# KiCad board 2 - CPU and core components (Rev 3).kicad_pcb (continued)
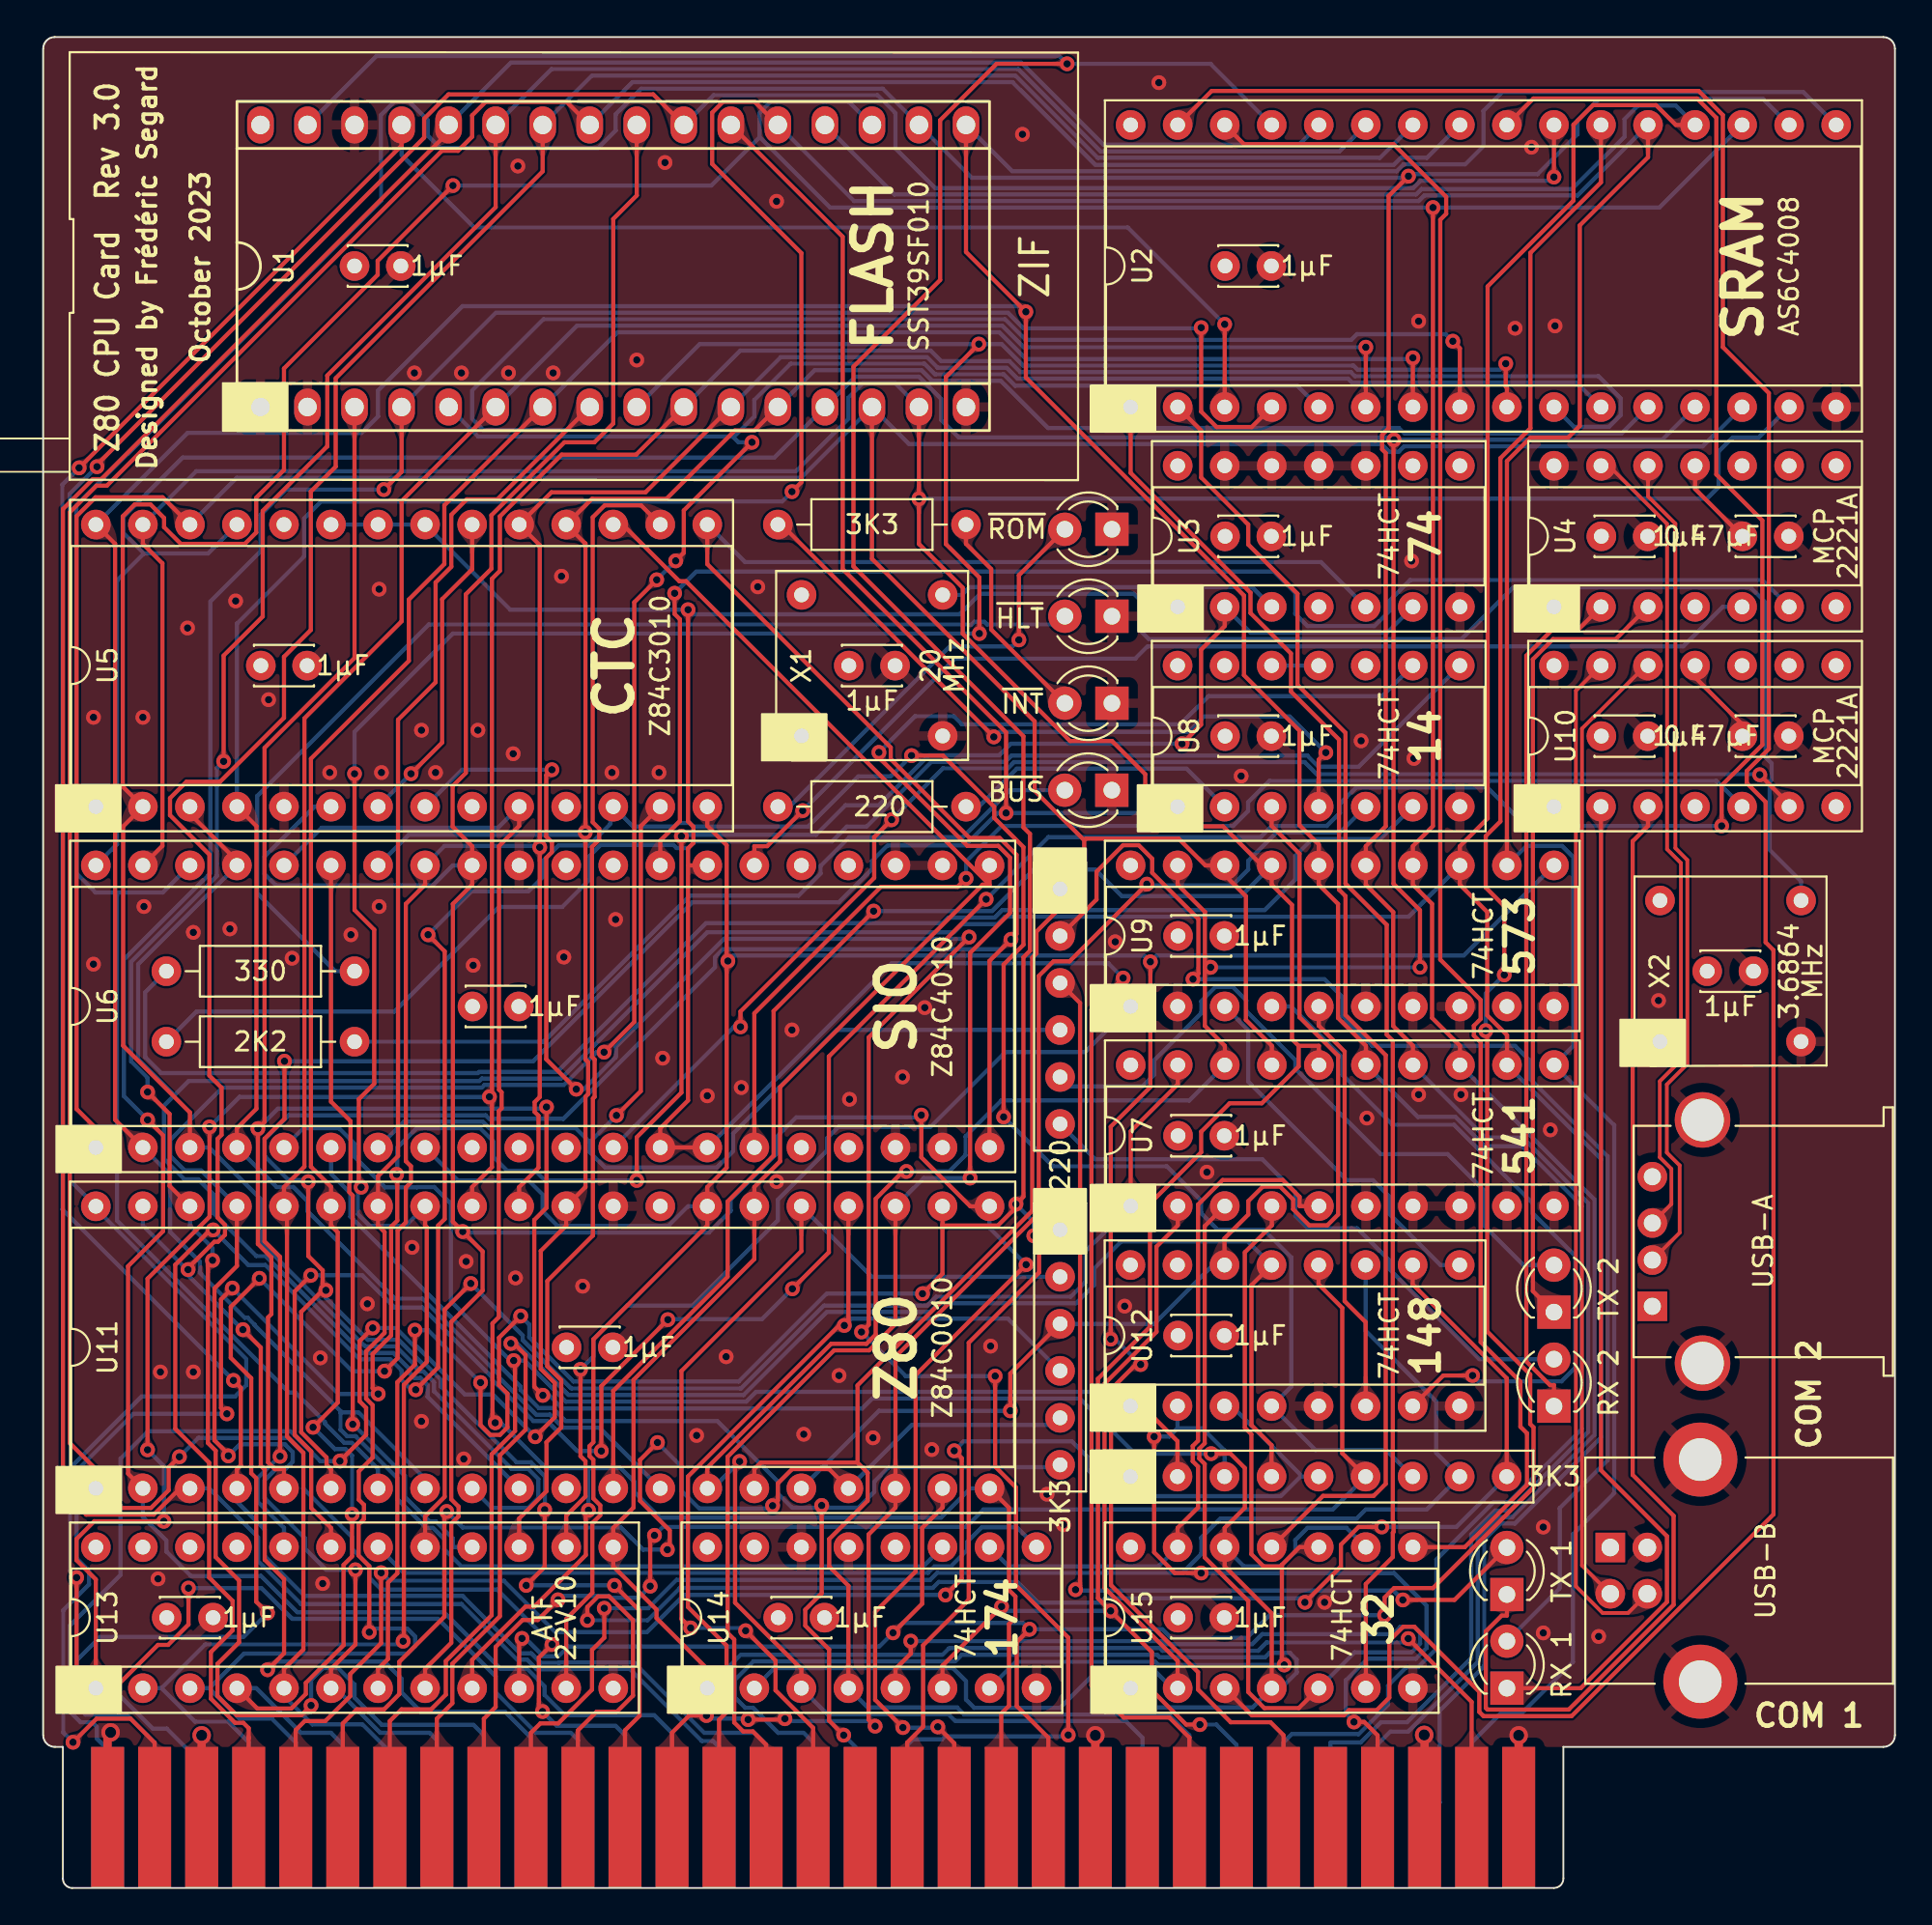
[diagram p0: board, top side]
## Routing (per net, layer and track width the routed paths; a pad name or vN(x,y) marks a point on that pad's centre or on a via; arc(x,y) is an arc through that point) (continued)
~{IRQ}4: length 87.1
  Top w0.225: J3.55 21.26,9.14 22.1,9.98 22.1,12.11 24.66,14.68 24.66,23.38 26.05,24.76 26.05,28.79 25.42,29.42 v2(25.26,29.42) ; U12.13 65.25,32.57 65.25,25.01 66.33,23.92 RN3.4
  Bottom w0.225: v2(25.26,29.42) 25.58,29.42 28.37,26.63 37.83,26.63 42.31,31.11 47.9,31.11 48.37,31.59 55.77,31.59 56.77,32.59 56.77,33.48 58.22,34.92 65.06,34.92 U12.13
~{IRQ}5: length 74.3
  Top w0.225: U12.12 68.87,32.62 70.15,31.34 70.15,23.48 RN3.6 ; J3.54 23.8,9.14 24.43,9.78 24.43,13.03 25.89,14.48 26.71,14.48 v2(27.8,15.57) ; v2(32.78,16.31) 32.78,18.82 v2(33.01,19.05)
  Bottom w0.225: RN3.6 69.64,20.45 50.78,20.45 49.84,19.5 33.47,19.5 v2(33.01,19.05) ; v2(32.78,16.31) 32.15,15.67 30.62,15.67 30.52,15.78 28.01,15.78 v2(27.8,15.57)
~{IRQ}6: length 76.7
  Top w0.225: v2(30.3,15.11) 30.3,13.52 29.64,12.86 29.64,10.72 27.81,8.89 26.85,8.89 26.34,8.38 J3.53
  Bottom w0.225: v2(30.3,15.11) 32.67,15.11 34.21,16.65 47.91,16.65 48.28,17.02 61.52,17.02 62.53,18.03 62.53,18.92 63.56,19.95 70.93,19.95 71.42,20.45 74.72,20.45 RN3.8 76.49,22.23 75.22,23.5 75.22,26.29 71.41,30.1 U12.11
~{IRQ}7: length 84.7
  Top w0.225: J3.52 28.88,8.52 29.89,9.53 30.98,9.53 31.85,10.39 31.85,14.47 30.57,15.75 29.96,15.75 29.39,15.18 v2(29.39,14.46) ; RN3.9 79.03,27.54 73.95,32.62 U12.10 ; v2(72.29,19.5) 71.03,19.5 70.08,18.55 70.08,17.38 v2(68.14,15.43)
  Bottom w0.225: v2(29.39,14.46) 32.63,14.46 34.39,16.21 48.05,16.21 48.37,16.53 52.61,16.53 53.72,15.41 57.11,15.41 57.35,15.65 67.92,15.65 v2(68.14,15.43) ; v2(72.29,19.5) 76.31,19.5 RN3.9
~{M1}: length 171
  Top w0.225: J3.37 66.98,8.25 66.28,8.95 64.13,8.95 62.37,10.72 62.37,11.66 57.66,16.36 57.66,26.94 59.01,28.28 v2(59.27,28.28) ; 36.91,50.08 v2(36.97,50.08) ; 36.91,50.08 36.91,56.33 35.86,57.38 U5.14 ; 36.91,50.08 36.91,38.92 35.86,37.87 U11.27 35.86,35.79 29.71,29.64 29.71,24.08 29.5,23.87 29.5,23.34 29.71,23.13 29.71,21.05 30.09,20.67 30.09,20.14 29.66,19.71 29.66,15.95 28.24,14.53 U13.11 ; v2(57.65,29.65) 57.65,41.13 59.79,43.27 v2(59.79,50.04)
  Bottom w0.225: U11.27 34.83,36.83 33.76,35.77 27.78,35.77 26.97,36.57 26.97,37.46 26.22,38.22 22.41,38.22 U6.8 ; v2(36.97,50.08) 37.26,50.37 59.46,50.37 v2(59.79,50.04) 60.13,50.38 76.72,50.38 U9.11 ; v2(57.65,29.65) 57.9,29.65 v2(59.27,28.28)
~{MREQ}: length 160.9
  Top w0.225: v2(53.26,13.98) 52.57,13.29 52.57,9.83 54.28,8.12 J3.42 ; U2.22 84.12,92.15 80.31,88.34 80.31,78.87 78.69,77.24 78.69,57.62 77.9,56.83 77.9,54.05 78.9,53.05 v2(78.9,49.33) ; v2(77.9,46.32) 77.98,46.24 77.98,30.06 80.3,27.74 80.3,25.07 80.48,24.89 80.48,21.63 75.05,16.2 72.95,16.2 72.44,15.69 v2(72.44,14.73) ; U13.10 25.7,13.33 v2(25.86,13.48) ; U11.19 48.56,20.55 47.47,19.45 47.47,15.36 v2(45.89,13.79)
  Bottom w0.225: v2(25.86,13.48) 26.05,13.48 27.01,12.52 27.72,12.52 27.74,12.54 27.84,12.54 28.35,13.05 45.16,13.05 v2(45.89,13.79) 46.43,14.32 52.92,14.32 v2(53.26,13.98) 60.44,13.98 60.9,13.52 65.01,13.52 66.22,14.73 v2(72.44,14.73) ; v2(78.9,49.33) 77.9,48.33 v2(77.9,46.32)
~{NMI}: length 66.8
  Top w0.225: v2(39.39,20.65) 39.67,20.94 39.67,21.86 40.45,22.63 42.45,22.63 U11.17 ; v2(33.71,18.28) 33.84,18.41 33.84,19.31 32.23,20.92 32.23,23.12 v2(33.17,24.07) ; J3.57 16.18,8.89 16.94,9.65 18.41,9.65 19.23,10.47 19.23,12.22 21.66,14.65 21.66,20.21 v2(21.79,20.34)
  Bottom w0.225: RN2.5 54.53,25.02 46.91,25.02 U11.17 ; v2(33.17,24.07) 34.47,22.77 34.47,21.46 35.43,20.5 39.24,20.5 v2(39.39,20.65) ; v2(33.71,18.28) 32.39,18.28 31.2,19.47 22.66,19.47 v2(21.79,20.34)
~{RAM_OE}: length 172.8
  Top w0.225: v2(40.46,32.37) 42.43,34.34 42.43,44.92 v2(50.92,53.42) ; U13.19 15.54,19.45 14.48,20.52 14.48,23.59 13.58,24.48 13.58,32.23 v2(14.46,33.1) ; v2(33.73,30.71) 30.14,27.11 v2(30.14,23.61) ; U2.24 80.47,96.68 89.31,96.68 90.35,95.64 90.35,76.37 92.84,73.88 92.84,61.76 90.64,59.56 v2(90.64,57.38)
  Bottom w0.225: v2(30.14,23.61) 28.84,23.61 27.22,25.22 26.48,25.22 24.26,27.44 24.26,27.57 20.47,31.37 18.97,31.37 17.24,33.1 v2(14.46,33.1) ; v2(50.92,53.42) 54.29,56.78 65.76,56.78 66.36,57.38 69.33,57.38 70.03,58.08 70.03,58.58 70.91,59.46 77.98,59.46 80.06,57.38 v2(90.64,57.38) ; v2(40.46,32.37) 38.82,30.73 33.76,30.73 v2(33.73,30.71)
~{RD}: length 185.7
  Top w0.225: v2(53.08,33.68) 47.12,27.71 47.12,17.1 44.93,14.91 44.93,10.17 v2(46.43,8.67) ; v2(47.42,41.76) 47.42,39.47 50.07,36.83 U11.21 ; U13.8 20.62,11.83 22.04,13.25 22.04,19.68 22.43,20.08 22.43,20.61 22.04,21 22.04,30.58 23.73,32.28 23.73,34.39 v2(22.66,35.46) 22.12,36 22.12,53.17 23.16,54.21 U6.32 23.16,56.28 22.11,57.34 22.11,59.53 22.82,60.24 22.82,69.89 24.2,71.27 24.2,74.16 28.15,78.11 29.77,78.11 30.78,79.12 30.78,90.17 32.05,91.44 U1.24 ; J3.44 49.2,7.82 v2(48.31,8.71)
  Bottom w0.225: U11.21 51.1,35.65 v2(53.08,33.68) ; v2(22.66,35.46) 22.71,35.41 35.96,35.41 37.13,36.59 37.13,37.2 39.67,39.74 39.67,40.64 40.67,41.63 47.3,41.63 v2(47.42,41.76) ; v2(48.31,8.71) 48.27,8.67 v2(46.43,8.67) ; U5.6 14.66,58.42 11.95,55.72 11.95,54.78 12.56,54.18 21.06,54.18 22.13,55.24 U6.32
~{RESET}: length 133.7
  Top w0.225: J3.33 77.14,10.05 v2(73.72,13.47) ; U14.1 35.86,11.83 33.12,14.58 33.12,15.04 30.78,17.38 U13.13 30.78,19.45 31.88,20.55 31.88,27.45 38.4,33.97 U11.26 38.4,37.87 39.8,39.26 39.8,43.27 50.73,54.21 51.1,54.21 ; U6.21 51.1,54.21 ; 51.1,54.21 34.71,70.6 34.35,70.6 31.29,73.66 U5.17
  Bottom w0.225: v2(73.72,13.47) 73.51,13.26 66.07,13.26 65.62,12.82 60.44,12.82 60.31,12.95 48.92,12.95 48.56,12.6 37.67,12.6 U14.1
~{ROM_CS}: length 125.7
  Top w0.225: v2(13.03,44.67) 13.03,41.55 11.96,40.48 11.96,34.93 12.79,34.1 v2(12.79,23.32) ; U1.22 43.17,89.21 43.17,71.26 52,62.43 v2(52,58.08)
  Bottom w0.225: v2(13.03,44.67) 26.47,44.67 35.05,53.25 42.97,53.25 44.75,55.03 44.75,55.48 45.6,56.33 49.79,56.33 51.53,58.08 v2(52,58.08) 60.92,58.08 U8.1 ; U13.20 13,19.45 11.6,20.86 11.6,22.16 12.75,23.32 v2(12.79,23.32)
~{SIO_CS}: length 40.9
  Top w0.225: v2(16.72,25.05) 16.72,37.41 16.53,37.59 16.53,38.12 16.6,38.19 16.6,41.43 15.54,42.48 U6.35
  Bottom w0.225: v2(16.72,25.05) 16.75,25.05 19.54,22.26 19.54,21.12 20.85,19.81 21.2,19.81 22.13,18.88 22.13,18.41 U13.16
~{WAIT}: length 50.8
  Top w0.225: J3.49 36.5,9.09 36.9,9.49 36.9,13.1 34.82,15.18 34.82,22.23 42.98,30.39 v2(43.26,30.39) 43.48,30.61 U11.24
  Bottom w0.225: v2(43.26,30.39) 43.64,30.76 52.09,30.76 RN2.4
~{WR}: length 235.6
  Top w0.225: U13.7 18.08,11.83 18.62,12.37 18.62,16.5 19.13,17 19.13,27.33 20.08,28.28 v2(20.08,30.14) ; 48.56,35.79 51.56,35.79 52.53,36.76 v2(52.53,36.94) 52.94,37.35 52.94,50.28 53.29,50.64 53.29,56.95 52.94,57.3 52.94,62.22 43.76,71.4 43.76,82.19 48.44,86.88 48.44,95.51 51.49,98.55 v2(55.3,98.55) ; 48.56,35.79 U11.22 ; 48.56,35.79 48.56,33.19 v2(47.48,32.11) ; v2(25.79,30.9) 24.62,29.73 24.62,27.17 25.07,26.71 25.07,24.88 24.67,24.48 24.15,24.48 23.62,25 v2(23.62,27.31) ; J3.45 46.66,7.86 47.52,8.72 47.52,13.11 49.98,15.57 49.98,29.46 53.78,33.25 53.78,34.95 v2(53.5,35.24)
  Bottom w0.225: U1.31 18,98.97 54.88,98.97 v2(55.3,98.55) 63.04,98.55 U2.29 ; v2(53.5,35.24) 53.5,35.98 v2(52.53,36.94) ; v2(23.62,27.31) 20.79,30.14 v2(20.08,30.14) ; v2(47.48,32.11) 42.31,32.11 37.56,27.36 28.64,27.36 26.25,29.75 26.25,30.45 v2(25.79,30.9)
Net-(D1-A): length 11.9
  Top w0.225: R1.2 49.83,72.62 51.2,71.26 51.2,67.99 D1.2
Net-(D2-A): length 23.8
  Top w0.225: D2.2 52.69,70.92 v2(52.69,67.43)
  Bottom w0.225: v2(52.69,67.43) 52.33,67.07 48.95,67.07 40.3,58.42 R4.2
Net-(D3-A): length 60
  Bottom w0.225: R3.2 15.78,49.53 11.56,53.74 11.56,59 20.83,68.26 50.14,68.26 50.29,68.41 50.82,68.41 50.97,68.26 54.73,68.26 D3.2
Net-(D4-A): length 44.2
  Bottom w0.225: D4.2 52.2,59.31 49.66,56.77 43.53,56.77 41.98,55.22 41.98,54.81 40.78,53.61 34.91,53.61 27.02,45.72 R2.2
Net-(D5-A): length 37.9
  Bottom w0.225: D5.2 79.94,33.65 77.78,35.81 77.78,37.71 75.85,39.65 72.22,39.65 67.62,44.25 67.62,44.72 64.97,47.37 64.97,47.94 64.22,48.69 63.32,48.69 62.53,47.91 62.53,47.26 60,44.72 60,43.95 59.36,43.31 55.42,43.31 RN1.5
Net-(D5-K): length 43.1
  Top w0.225: D5.1 80.45,32.25 80.45,66.38 81.54,67.47 84.92,67.47 U4.3
Net-(D6-A): length 33
  Bottom w0.225: RN1.6 56.82,39.37 65.84,39.37 67.62,37.59 67.62,36.32 68.29,35.64 70.96,35.64 72.68,33.91 72.68,33.45 77.56,28.57 D6.2
Net-(D6-K): length 46.4
  Top w0.225: U4.2 82.91,68 81.52,68 80.09,66.58 80.09,28.45 81.37,27.17 81.58,27.17 D6.1
Net-(D7-A): length 58
  Top w0.225: D7.2 76.21,15.56 v2(73.42,15.56) ; RN1.3 56,47.81 56,16.36 v2(55.75,16.11)
  Bottom w0.225: v2(73.42,15.56) 72.92,16.07 55.79,16.07 v2(55.75,16.11)
Net-(D7-K): length 63.7
  Top w0.225: D7.1 79.04,14.72 78.76,14.72 77.9,13.86 77.9,9.73 77.99,9.64 82.38,9.64 88.05,15.3 88.05,20.1 85.84,22.32 85.84,56.55 86.66,57.38 U10.3
Net-(D8-A): length 71.8
  Top w0.225: v2(62.09,49.1) 62.38,49.39 62.38,52.35 59.89,54.85 59.89,55.61 59.16,56.34 58.32,56.34 56.88,54.9 56.88,53.4 RN1.2
  Bottom w0.225: D8.2 81.89,16.18 81.89,20.52 84.49,23.12 84.49,39.52 80.31,43.69 80.31,44.67 79.48,45.5 71.77,45.5 70.15,47.12 70.15,48.13 69.19,49.1 v2(62.09,49.1)
Net-(D8-K): length 55
  Top w0.225: U10.2 84.12,22.57 87.69,19.01 87.69,15.45 83.03,10.79 D8.1
Net-(R1-Pad1): length 38.7
  Top w0.225: U8.4 68.88,60.96 v2(69.27,61.34) ; v2(51.34,62.19) 39.87,73.66 R1.1
  Bottom w0.225: v2(69.27,61.34) 67.31,63.29 62.69,63.29 61.85,62.46 51.61,62.46 v2(51.34,62.19)
Net-(R2-Pad1): length 79.6
  Bottom w0.225: R2.1 8.28,47.34 18.96,47.34 24.62,53 28.03,53 29.51,54.48 29.51,55.75 30.11,56.35 34.03,56.35 34.2,56.18 34.84,56.18 35.2,56.54 42.6,56.54 43.4,57.34 44.47,57.34 47.97,60.84 51.95,60.84 52.28,61.18 68.27,61.18 68.87,60.57 71.03,60.57 U8.8
Net-(R3-Pad1): length 80.6
  Bottom w0.225: U8.6 72.22,56.68 68.54,56.68 67.61,55.75 67.61,54.48 65.96,52.83 51.79,52.83 51.39,52.43 48.88,52.43 48.59,52.13 35.8,52.13 27.76,44.09 23.54,44.09 23.48,44.03 6.38,44.03 5.51,44.89 5.51,48.39 R3.1
Net-(R4-Pad1): length 15.7
  Bottom w0.225: R4.1 50.52,58.42 52.58,60.47 61.75,60.47 U8.2
Net-(U3A-C): length 18.4
  Bottom w0.225: X1.5 49.61,69.86 50.04,70.28 65.28,70.28 U3.3
Net-(U4-Rx_In): length 59.7
  Top w0.225: U6.26 38.4,56.28 39.1,56.28 v2(41.02,58.21)
  Bottom w0.225: v2(41.02,58.21) 49.23,66.41 58.97,66.41 59.64,67.08 88.57,67.08 90.71,69.21 U4.5
Net-(U4-Tx_Out): length 79.8
  Top w0.225: U6.28 33.32,56.58 34.38,57.64 34.38,68.54 34.1,68.83 v2(34.1,69.95)
  Bottom w0.225: U4.6 92.84,70.66 73.82,70.66 72.69,69.54 72.69,68.98 71.89,68.18 68.27,68.18 67.61,68.83 67.61,69.98 66.47,71.12 35.27,71.12 v2(34.1,69.95)
Net-(U4-VUSB): length 4.9
  Top w0.225: U4.11 89.2,75.58 C9.1
Net-(U5-CLK/TRG3): length 17.3
  Top w0.225: U5.20 23.16,71.25 21.54,69.63 21.54,61.88 v2(19.86,60.2)
  Bottom w0.225: U5.7 v2(19.86,60.2)
Net-(U8-Pad11): length 2.5
  Bottom w0.225: U8.12 U8.11
Net-(U10-Rx_In): length 67.2
  Top w0.225: U6.15 38.4,47.25 45.24,54.09 49.39,54.09 v2(49.84,54.54)
  Bottom w0.225: U10.5 90.35,59.81 66.22,59.81 65.07,58.66 65.07,58.19 64.26,57.38 51.76,57.38 49.84,55.46 v2(49.84,54.54)
Net-(U10-Tx_Out): length 75
  Top w0.225: v2(37.66,46.52) 37.66,47.35 44.88,54.57 44.88,56.77 v2(45.82,57.72) ; U10.6 94.28,58.56 v2(92.7,60.14)
  Bottom w0.225: v2(45.82,57.72) 48.59,60.49 52.09,60.49 52.43,60.83 68.12,60.83 68.78,60.18 92.67,60.18 v2(92.7,60.14) ; U6.12 37.3,46.52 v2(37.66,46.52)
Net-(U10-VUSB): length 4.9
  Top w0.225: C10.1 91.76,62.84 89.2,65.4 U10.11
Net-(U12-S0): length 20.7
  Bottom w0.225: U12.9 75.46,33.65 72.7,36.41 72.7,37.34 71.81,38.24 70.4,38.24 65.07,43.56 65.07,46.36 U9.3
Net-(U12-S1): length 38.8
  Top w0.225: v2(77.19,27.69) 75.61,27.69 U12.7
  Bottom w0.225: v2(77.19,27.69) 77.5,27.37 82,27.37 82.72,28.1 82.72,34.16 80.44,36.44 80.44,36.98 76.19,41.23 72.87,41.23 70.16,43.94 70.16,44.85 67.38,47.62 U9.4
Net-(U12-S2): length 22.6
  Top w0.225: U12.6 71.41,30.57 70.28,31.71 70.28,45.19 68.88,46.59 U9.5

## Copper pours and planes (outline as drawn; the poured copper is in the pictures)
+5V on In2.Cu: -2.87,102.87 102.54,102.87 102.54,-3.81 -2.87,-3.81
GND on Top, Bottom, In1.Cu: -1.6,101.6 101.27,101.6 101.27,-2.54 -1.6,-2.54

Small or netless copper shapes (teardrops, artwork), in the pictures only: 434 on Top, 412 on Bottom

## Text on the board
B.Silkscreen: youtube.com/@microhobbyist / github.com/fredericsegard | Designed by: / Frédéric Segard | 10MHz Z80, CTC, SIO, 128K Flash, 512K RAM, / Bank Switching, Priority Interrupt Encoder. | COM 2 / USB-A | COM 1 / USB-B | Z80 CPU Card - Rev 3.0
F.Silkscreen: October 2023 | Designed by Frédéric Segard | Z80 CPU Card  Rev 3.0 | ZIF
